# KiCad board GPDI_ULX3S_panel.kicad_pcb (continued)
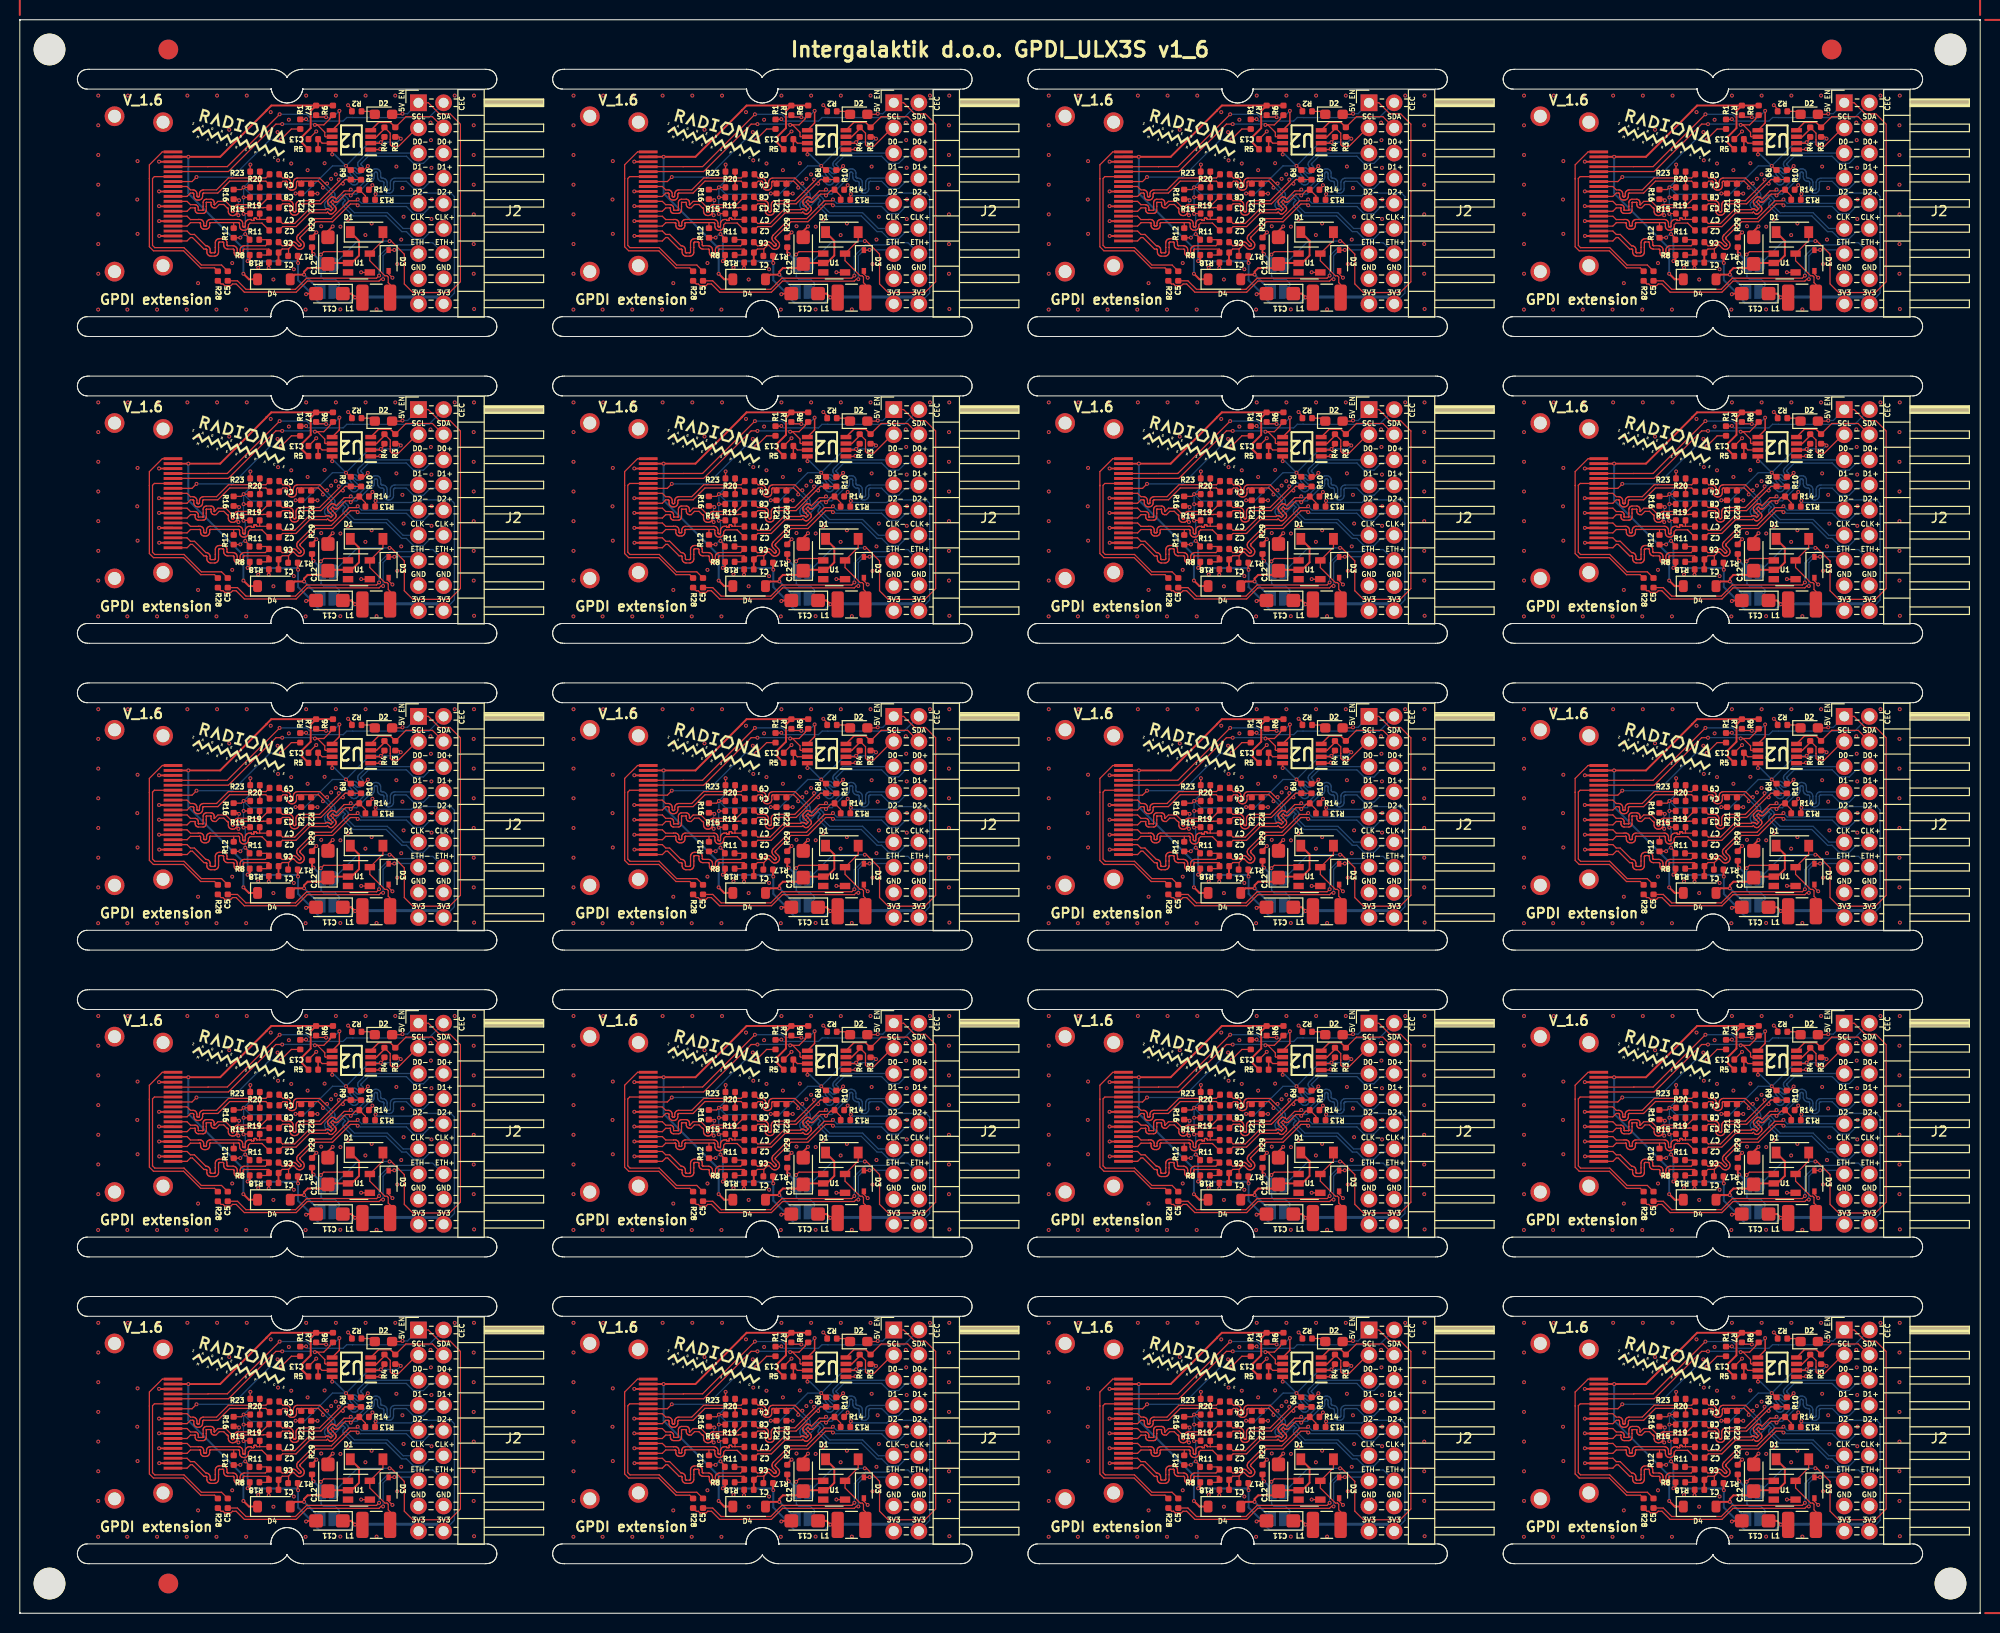
[diagram p0: board, top side]
## Routing (per net, layer and track width the routed paths; a pad name or vN(x,y) marks a point on that pad's centre or on a via; arc(x,y) is an arc through that point) (continued)
Board_0-+5V: length 39.3
  Top w0.2: v1(22.58,135.34) 23.14,134.78 D4#15.1 ; R6#14.1 R7#20.1 ; R7#20.1 25.4,152.34 24.92,151.85 24.92,151.83 20.24,147.15 v1(17.02,147.15) P1#5.18 ; R7#20.1 29.38,151.79 29.38,150.06 28.53,149.2 28.53,148.55 R5#2.1
  Bottom w0.2: v1(22.58,135.34) 22.58,137.9 17.02,143.46 v1(17.02,147.15)
Board_0-/CEC: length 15.1
  Top w0.127: R1#7.1 27.43,149.97 v1(26.37,148.91) ; v1(17.85,145.11) 17.39,144.65 P1#5.13
  Bottom w0.127: v1(26.37,148.91) 25.28,148.91 21.48,145.11 v1(17.85,145.11)
Board_0-/CLK+: length 12.1
  Top w0.127: P1#5.10 16.89,143.15 17.24,143.5 17.45,143.5 17.48,143.49 17.51,143.48 17.53,143.47 17.55,143.45 17.56,143.43 17.57,143.4 17.57,143.38 17.57,143.19 17.58,143.1 17.61,143.02 17.66,142.94 17.73,142.87 17.8,142.82 17.89,142.79 17.98,142.78 18.05,142.78 18.14,142.79 18.23,142.82 18.31,142.87 18.37,142.94 18.42,143.02 18.45,143.1 18.46,143.19 18.46,143.38 18.47,143.4 18.48,143.43 18.49,143.45 18.51,143.47 18.53,143.48 18.55,143.49 18.58,143.5 20,143.5 21.2,144.7 24.85,144.7 C4#14.2
  Top w0.15: R20#6.2 24.24,144.66
Board_0-/CLK-: length 12.2
  Top w0.127: P1#5.12 16.89,144.15 17.24,143.81 17.48,143.81 17.57,143.8 17.66,143.77 17.74,143.72 17.8,143.66 17.85,143.58 17.88,143.49 17.89,143.4 17.89,143.22 17.89,143.19 17.9,143.17 17.92,143.15 17.93,143.13 17.96,143.11 17.98,143.1 18.01,143.1 18.03,143.1 18.05,143.1 18.08,143.11 18.1,143.13 18.12,143.15 18.13,143.17 18.14,143.19 18.14,143.22 18.14,143.4 18.16,143.49 18.19,143.58 18.23,143.66 18.3,143.72 18.38,143.77 18.46,143.8 18.56,143.81 19.87,143.81 21.07,145.02 24.26,145.02 ; 24.26,145.02 24.24,145.03 R23#10.2 ; 24.26,145.02 24.85,145.02 C9#15.2
Board_0-/D0+: length 15.7
  Top w0.127: C3#7.2 24.59,142.03 24.57,142.01 22.66,142.01 22.63,142 22.6,141.99 22.58,141.98 22.56,141.96 22.54,141.93 22.53,141.91 22.53,141.88 22.53,141.87 22.53,141.84 22.52,141.82 22.5,141.79 22.48,141.77 22.46,141.76 22.43,141.75 22.4,141.75 22.37,141.75 22.35,141.76 22.32,141.77 22.3,141.79 22.29,141.82 22.28,141.84 22.28,141.87 22.28,141.88 22.27,141.91 22.26,141.93 22.25,141.96 22.23,141.98 22.2,141.99 22.18,142 22.15,142.01 22.08,142.01 22.05,142 22.02,141.99 22,141.98 21.98,141.96 21.96,141.93 21.95,141.91 21.95,141.88 21.95,141.64 21.94,141.55 21.91,141.46 21.86,141.38 ; P1#5.7 16.89,141.65 17.24,142 17.67,142 17.68,141.99 17.69,141.99 17.7,141.99 17.7,141.98 17.71,141.97 17.71,141.97 17.71,141.96 17.71,141.78 17.72,141.7 17.75,141.63 17.79,141.57 17.84,141.51 17.9,141.47 17.97,141.45 18.05,141.44 18.49,141.44 18.57,141.45 18.64,141.47 18.7,141.51 18.76,141.57 18.8,141.63 18.82,141.7 18.83,141.78 18.83,142.15 18.83,142.51 18.83,142.52 18.84,142.53 18.84,142.54 18.85,142.54 18.85,142.55 18.86,142.55 18.87,142.55 19.27,142.55 19.28,142.55 19.29,142.55 19.3,142.54 19.3,142.54 19.31,142.53 19.31,142.52 19.31,142.51 19.31,142.33 19.32,142.26 19.35,142.19 19.39,142.12 19.44,142.07 19.5,142.03 19.58,142 19.65,142 19.8,142 20.14,142.34 20.6,142.34 20.93,142.01 20.96,142 20.99,141.99 21.01,141.98 21.03,141.96 21.04,141.93 21.05,141.91 21.06,141.88 21.06,141.64 21.07,141.55 21.1,141.46 21.15,141.38 21.22,141.31 21.3,141.26 21.38,141.23 21.48,141.22 21.53,141.22 21.62,141.23 21.71,141.26 21.79,141.31 21.86,141.38 ; 21.86,141.38 21.95,141.38 v1(22.08,141.25) ; R16#11.2 22.03,142.88 v1(22.15,142.76)
  Bottom w0.127: v1(22.15,142.76) 22.08,142.7 v1(22.08,141.25)
Board_0-/D0-: length 14.1
  Top w0.127: 25.13,143.06 C8#20.2 24.39,142.33 22.05,142.33 21.96,142.31 21.87,142.28 21.79,142.23 21.72,142.17 21.67,142.09 21.64,142 21.63,141.91 21.63,141.67 21.63,141.64 21.62,141.61 21.6,141.59 21.58,141.57 21.56,141.55 21.53,141.54 21.5,141.54 21.48,141.54 21.45,141.55 21.42,141.57 21.4,141.59 21.39,141.61 21.38,141.64 21.38,141.67 21.38,141.91 21.37,142 21.33,142.09 21.28,142.17 20.8,142.65 20.01,142.65 19.67,142.31 19.66,142.32 19.65,142.32 19.65,142.32 19.64,142.33 19.64,142.34 19.63,142.34 19.63,142.35 19.63,142.53 19.62,142.61 19.6,142.68 19.56,142.74 19.51,142.8 19.44,142.84 19.37,142.86 19.29,142.87 18.85,142.87 18.78,142.86 18.7,142.84 18.64,142.8 18.59,142.74 18.55,142.68 18.52,142.61 18.51,142.53 18.51,142.15 18.51,142.15 18.51,141.8 18.51,141.79 18.51,141.78 18.5,141.77 18.5,141.77 18.49,141.76 18.48,141.76 18.47,141.76 18.07,141.76 18.06,141.76 18.05,141.76 18.05,141.77 18.04,141.77 18.03,141.78 18.03,141.79 18.03,141.8 18.03,141.98 18.02,142.05 18,142.12 17.96,142.19 17.9,142.24 17.84,142.28 17.77,142.31 17.69,142.31 17.24,142.31 16.89,142.65 P1#5.9
  Top w0.15: 24.2,142.33 24.22,142.34 R19#18.2
Board_0-/D1+: length 12.6
  Top w0.127: P1#5.4 16.89,140.15 17.24,140.5 18.15,140.5 18.16,140.51 18.18,140.5 18.2,140.5 18.22,140.49 18.24,140.47 18.25,140.45 18.25,140.43 18.26,140.41 18.26,140.23 18.27,140.14 18.29,140.06 18.34,139.99 18.4,139.93 18.48,139.88 18.56,139.85 18.64,139.84 18.79,139.84 18.87,139.85 18.95,139.88 19.03,139.93 19.09,139.99 19.14,140.06 19.16,140.14 19.17,140.23 19.17,140.41 19.18,140.43 19.18,140.45 19.19,140.47 19.21,140.49 19.23,140.5 19.25,140.5 19.27,140.51 22.07,140.51 22.1,140.5 22.13,140.49 22.15,140.48 22.17,140.46 22.18,140.43 22.19,140.41 22.2,140.38 22.2,140.15 22.21,140.05 22.24,139.97 22.29,139.89 22.36,139.82 22.44,139.77 22.52,139.74 22.62,139.73 22.67,139.73 22.76,139.74 22.85,139.77 22.93,139.82 23,139.89 23.05,139.97 23.08,140.05 23.09,140.15 23.09,140.29 23.26,140.46 24.45,140.46 C2#2.2 ; R12#16.2 21.6,140.49
Board_0-/D1-: length 12.8
  Top w0.127: C7#7.2 25.16,140.83 24.23,140.83 ; P1#5.6 16.89,141.15 17.24,140.81 18.02,140.81 18.03,140.83 18.19,140.83 18.27,140.82 18.35,140.79 18.43,140.74 18.49,140.68 18.54,140.61 18.56,140.52 18.57,140.44 18.57,140.25 18.58,140.23 18.58,140.21 18.59,140.2 18.61,140.18 18.63,140.17 18.65,140.16 18.67,140.16 18.76,140.16 18.78,140.16 18.8,140.17 18.82,140.18 18.84,140.2 18.85,140.21 18.85,140.23 18.86,140.25 18.86,140.44 18.87,140.52 18.89,140.61 18.94,140.68 19,140.74 19.08,140.79 19.16,140.82 19.24,140.83 22.1,140.83 22.19,140.81 22.28,140.78 22.36,140.73 22.42,140.67 22.47,140.59 22.51,140.5 22.52,140.41 22.52,140.17 22.52,140.15 22.53,140.12 22.54,140.09 22.56,140.07 22.59,140.06 22.62,140.05 22.64,140.05 22.67,140.05 22.7,140.06 22.72,140.07 22.74,140.09 22.76,140.12 22.77,140.15 22.77,140.17 22.77,140.41 22.78,140.5 22.81,140.59 22.86,140.67 22.93,140.73 23.01,140.78 23.1,140.81 23.19,140.83 23.34,140.83 23.35,140.82 23.36,140.82 23.37,140.81 23.38,140.81 23.38,140.8 23.39,140.79 23.39,140.76 23.39,140.75 23.4,140.74 23.41,140.74 23.42,140.73 23.43,140.73 23.44,140.73 23.59,140.73 23.6,140.73 23.62,140.73 23.62,140.74 23.63,140.74 23.64,140.75 23.64,140.76 23.64,140.78 23.64,140.9 23.65,140.91 23.65,140.93 23.66,140.94 23.67,140.96 23.68,140.96 23.7,140.97 23.72,140.97 23.82,140.97 23.84,140.97 23.86,140.96 23.87,140.96 23.88,140.94 23.89,140.93 23.9,140.91 23.9,140.88 23.9,140.87 23.91,140.85 23.92,140.84 23.94,140.83 23.95,140.83 23.97,140.83 24.23,140.83 ; 24.23,140.83 R15#9.2
Board_0-/D2+: length 15
  Top w0.127: P1#5.1 16.89,138.65 17.24,139 17.43,139 18.6,137.83 18.78,137.83 18.81,137.83 18.83,137.82 18.85,137.81 18.87,137.79 18.88,137.77 18.89,137.75 18.89,137.73 18.89,137.53 18.9,137.44 18.93,137.35 18.98,137.27 19.05,137.21 19.13,137.16 19.21,137.13 19.31,137.12 19.66,137.12 19.75,137.13 19.84,137.16 19.92,137.21 19.98,137.27 20.03,137.35 20.06,137.44 20.07,137.53 20.07,138 20.07,138 20.07,138.44 20.08,138.47 20.09,138.49 20.1,138.51 20.12,138.53 20.14,138.54 20.16,138.55 20.18,138.55 20.48,138.55 20.51,138.55 20.53,138.54 20.55,138.53 20.57,138.51 20.58,138.49 20.59,138.47 20.59,138.44 20.59,138.25 20.6,138.16 20.63,138.07 20.68,137.99 20.75,137.92 20.83,137.88 20.91,137.84 21.01,137.83 21.56,137.83 21.59,137.82 21.61,137.79 21.63,137.77 21.64,137.74 21.64,137.71 21.64,137.5 21.66,137.4 21.69,137.31 21.74,137.23 21.81,137.16 21.89,137.1 21.98,137.07 22.08,137.06 22.13,137.06 22.23,137.07 22.32,137.1 22.4,137.16 22.47,137.23 22.52,137.31 22.56,137.4 22.57,137.5 22.57,137.71 22.57,137.74 22.58,137.77 22.6,137.79 22.62,137.82 22.65,137.83 25.14,137.83 25.17,137.8 C1#17.2 24.92,137.23 R8.2
Board_0-/D2-: length 14.8
  Top w0.127: R11#2.2 24.91,138.78 C6#3.2 24.8,138.17 22.68,138.17 22.59,138.16 22.49,138.12 22.41,138.07 22.34,138 22.29,137.92 22.26,137.83 22.25,137.73 22.25,137.52 22.24,137.49 22.23,137.46 22.22,137.43 22.19,137.41 22.17,137.39 22.14,137.38 22.11,137.38 22.07,137.38 22.04,137.39 22.02,137.41 21.99,137.43 21.98,137.46 21.97,137.49 21.96,137.52 21.96,137.73 21.95,137.83 21.92,137.92 21.87,138 21.8,138.07 21.72,138.12 21.63,138.16 21.53,138.17 21.03,138.17 21.01,138.17 20.99,138.18 20.97,138.19 20.95,138.21 20.94,138.23 20.93,138.25 20.92,138.27 20.92,138.47 20.91,138.56 20.88,138.65 20.83,138.73 20.77,138.79 20.69,138.84 20.6,138.87 20.51,138.88 20.16,138.88 20.06,138.87 19.98,138.84 19.9,138.79 19.83,138.73 19.78,138.65 19.75,138.56 19.74,138.47 19.74,138 19.74,137.56 19.74,137.54 19.73,137.51 19.72,137.49 19.7,137.48 19.68,137.46 19.66,137.45 19.63,137.45 19.33,137.45 19.31,137.45 19.29,137.46 19.26,137.48 19.25,137.49 19.23,137.51 19.23,137.54 19.22,137.56 19.22,137.75 19.21,137.84 19.18,137.93 19.13,138.01 19.07,138.08 18.99,138.13 18.9,138.16 18.81,138.17 18.78,138.17 17.64,139.31 17.24,139.31 16.89,139.65 P1#5.3
Board_0-/ETH+: length 17.6
  Top w0.127: P1#5.14 13.59,145.15 13.4,144.97 13.4,138.2 13.63,137.98 16.58,137.98 18.34,136.22 20.38,136.22 C5#17.2
Board_0-/ETH-: length 19.2
  Top w0.127: P1#5.19 14.39,147.65 13.09,146.35 13.09,144.93 ; 13.09,144.93 13.09,138.07 13.5,137.66 16.54,137.66 18.27,135.93 19.67,135.93 R28#16.1 ; 13.09,144.93 13.09,144.97
Board_0-GND: length 17.5
  Top w0.127: R2#2.2 33.54,151.98 v1(33.15,152.37) ; U1#8.4 34.49,135.47 v1(34.47,135.49) ; v1(37.63,134.94) 37.25,135.32 D3#18.2 ; v1(35.15,146.22) 34.75,145.82 R10#10.2 ; v1(29.94,149.72) 29.94,149.72 C13#8.2 ; v1(30.07,143.44) 30.07,143.44 R22#11.2 ; R14#15.2 35.61,144.19 v1(35.61,144.29)
  Top w0.15: U2#2.1 36.35,147.88 v1(36.4,147.94)
  Top w0.2: v1(14.07,140.66) 14.08,140.65 P1#5.5 ; P1#5.17 14.07,146.65 v1(14.06,146.67) ; C11#11.2 28.97,133.33 v1(28.91,133.27) ; R18#19.2 25.16,135.94 v1(25.14,135.93) ; P1#5.11 14.07,143.65 v1(14.06,143.66) ; P1#5.2 14.08,139.15 v1(14.08,139.16) ; v1(29.95,139.52) 29.51,139.08 R29#13.2 ; C12#15.2 31.12,139.64 v1(31.6,140.12) ; P1#5.8 14.08,142.15 v1(14.06,142.18)
  In1.Cu w0.5: 40.38,134.72 J2#9.15
  vias: v1(7.92,153.34) v1(7.92,150.34) v1(7.92,147.34) v1(7.92,144.34) v1(7.92,141.34) v1(7.92,138.34) v1(7.92,135.34) v1(7.91,131.72) v1(10.92,153.34) v1(10.86,131.72) v1(11.89,146.72) v1(11.86,142.84) v1(11.89,139.37) v1(13.92,153.34) v1(13.86,131.72) v1(16.92,153.34) v1(16.86,131.72) v1(18.02,149.97) v1(18,134.39) v1(19.92,153.34) v1(19.86,131.72) v1(21.15,149.89) v1(21.45,136.42) v1(22.92,153.34) v1(22.86,131.72) v1(24.08,135.94) v1(25.34,151.67) v1(25.61,134.76) v1(26.03,149.65) v1(26.08,146.8) v1(27.17,150.9) v1(27.41,146.48) v1(27.68,135.79) v1(28.92,153.34) v1(28.86,131.72) v1(29.07,145.81) v1(30.44,140.14) v1(30.78,146.51) v1(31.44,144.93) v1(31.92,153.34) v1(31.91,145.38) v1(32.38,140.1) v1(32.37,131.74) v1(33.14,140.81) v1(34.92,153.34) v1(34.9,139.25) v1(35.53,140.42) v1(36.03,131.74) v1(37.92,153.34) v1(38.03,146.17) v1(38.12,136.32) v1(38.52,138.79) v1(38.64,144) v1(38.76,141.1) v1(41.48,150.61) v1(41.52,148.84) v1(41.57,146.05) v1(41.6,142.85) v1(41.58,140.87) v1(43.92,153.34) v1(45.84,150.34) v1(45.84,147.34) v1(45.84,144.34) v1(45.84,141.34) v1(45.84,138.34) v1(45.84,135.34) v1(45.87,153.34) v1(45.88,131.78)
Board_0-GPDI_CEC: length 15.3
  Top w0.127: R1#7.2 28.89,150.94 v1(28.91,150.96)
  Bottom w0.127: J2#9.2 41.31,151.12 33.61,151.12 33.6,151.13 33.02,151.13 32.66,150.77 29.1,150.77 v1(28.91,150.96)
Board_0-GPDI_CLK+: length 24.8
  Top w0.127: 28.45,144.69 28.42,144.67 R21#8.2 ; 28.45,144.69 28.09,144.69 28.06,144.69 28.03,144.68 28,144.66 27.98,144.64 27.96,144.61 27.95,144.58 27.95,144.55 27.95,144.22 27.94,144.12 27.9,144.03 27.85,143.95 27.78,143.88 27.7,143.83 27.61,143.8 27.51,143.79 27.46,143.79 27.36,143.8 27.27,143.83 27.19,143.88 27.12,143.95 27.07,144.03 27.04,144.12 27.03,144.22 27.03,144.55 27.02,144.58 27.01,144.61 27,144.64 26.97,144.66 26.95,144.68 26.92,144.69 26.89,144.69 26.57,144.69 C4#14.1 ; 28.45,144.69 29.43,144.69 ; R22#11.1 29.43,144.69 ; 29.43,144.69 30.16,144.69 30.62,144.23 v1(30.62,144.04)
  Bottom w0.127: v1(30.62,144.04) 30.81,144.04 31.46,143.39 31.48,143.36 31.5,143.33 31.5,143.29 31.5,143.26 31.5,143.22 31.48,143.19 31.46,143.16 30.91,142.61 30.85,142.53 30.8,142.44 30.78,142.34 30.78,142.24 30.8,142.14 30.85,142.05 30.91,141.97 30.95,141.93 31.03,141.86 31.12,141.82 31.22,141.8 31.32,141.8 31.42,141.82 31.51,141.86 31.59,141.93 32.62,142.95 32.63,142.96 32.63,142.96 32.64,142.96 32.65,142.96 32.65,142.96 32.66,142.96 32.67,142.95 32.85,142.77 32.86,142.76 32.86,142.75 32.86,142.75 32.86,142.74 32.86,142.73 32.86,142.72 32.85,142.72 32.73,142.59 32.68,142.53 32.65,142.47 32.63,142.39 32.63,142.32 32.65,142.25 32.68,142.18 32.73,142.12 33.66,141.19 36.99,141.19 38.58,139.6 39.04,139.6 39.76,138.87 40.76,138.87 41.48,139.6 42.48,139.6 J2#9.12
Board_0-GPDI_CLK-: length 21
  Top w0.127: v1(31.03,144.46) 30.84,144.46 30.29,145.01 28.06,145.01 27.96,145 27.87,144.97 27.79,144.92 27.72,144.85 27.67,144.77 27.64,144.68 27.63,144.58 27.63,144.25 27.62,144.21 27.61,144.18 27.6,144.16 27.57,144.14 27.55,144.12 27.52,144.11 27.49,144.1 27.46,144.11 27.43,144.12 27.4,144.14 27.38,144.16 27.36,144.18 27.35,144.21 27.35,144.25 27.35,144.58 27.34,144.68 27.3,144.77 27.25,144.85 27.18,144.92 27.1,144.97 27.01,145 26.91,145.01 26.57,145.01 C9#15.1
  Bottom w0.127: v1(31.03,144.46) 31.03,144.27 31.7,143.6 31.77,143.52 31.81,143.43 31.83,143.33 31.83,143.23 31.81,143.13 31.77,143.03 31.7,142.95 31.15,142.41 31.13,142.38 31.12,142.34 31.11,142.31 31.11,142.27 31.12,142.24 31.13,142.2 31.15,142.17 31.18,142.15 31.22,142.13 31.25,142.13 31.29,142.13 31.33,142.13 31.36,142.15 31.39,142.17 32.41,143.19 32.47,143.24 32.53,143.27 32.61,143.29 32.68,143.29 32.75,143.27 32.82,143.24 32.88,143.19 33.09,142.98 33.14,142.92 33.17,142.85 33.19,142.78 33.19,142.71 33.17,142.63 33.14,142.57 33.09,142.51 32.97,142.38 32.96,142.37 32.96,142.37 32.96,142.36 32.96,142.35 32.96,142.35 32.96,142.34 32.97,142.33 33.79,141.51 37.12,141.51 38.71,139.91 J2#9.11
Board_0-GPDI_D0+: length 26.3
  Top w0.127: R10#10.1 34.46,144.85 R9#16.2 32.86,144.85 32.63,144.63 v1(32.63,144.44) 32.44,144.44 30.4,142.4 28.35,142.4 28.32,142.4 28.29,142.39 28.26,142.37 28.24,142.35 28.23,142.32 28.22,142.29 28.21,142.26 28.21,141.69 28.2,141.59 28.17,141.5 28.12,141.42 28.05,141.35 27.97,141.3 27.88,141.27 27.78,141.26 27.73,141.26 27.63,141.27 27.54,141.3 27.46,141.35 27.39,141.42 27.34,141.5 27.3,141.59 27.29,141.69 27.29,142.26 27.29,142.29 27.28,142.32 27.26,142.35 27.24,142.37 27.21,142.39 27.18,142.4 27.15,142.4 26.53,142.4 C3#7.1
  Bottom w0.127: J2#9.6 42.48,147.22 41.48,147.22 40.76,146.49 39.76,146.49 39.04,147.22 35.22,147.22 34.48,146.47 34.46,146.46 34.45,146.44 34.45,146.42 34.45,146.4 34.45,146.38 34.46,146.36 34.48,146.35 34.6,146.22 34.66,146.15 34.7,146.07 34.72,145.99 34.72,145.9 34.7,145.82 34.66,145.74 34.6,145.67 34.5,145.57 34.43,145.51 34.35,145.48 34.27,145.46 34.18,145.46 34.1,145.48 34.02,145.51 33.95,145.57 33.83,145.7 33.81,145.71 33.79,145.72 33.77,145.72 33.75,145.72 33.73,145.72 33.71,145.71 33.7,145.7 33.68,145.67 33.66,145.64 33.66,145.61 33.66,145.58 33.66,145.55 33.68,145.52 33.7,145.5 34.11,145.08 34.17,145.01 34.21,144.92 34.24,144.83 34.24,144.73 34.21,144.63 34.17,144.55 34.11,144.47 34.07,144.43 34,144.37 33.91,144.33 33.82,144.31 33.72,144.31 33.62,144.33 33.54,144.37 33.46,144.43 33.05,144.85 33.02,144.87 32.99,144.88 32.96,144.89 32.93,144.89 32.9,144.88 32.87,144.87 32.85,144.85 32.63,144.63 v1(32.63,144.44)
Board_0-GPDI_D0-: length 20.9
  Top w0.127: v1(32.22,144.86) 32.22,144.67 30.27,142.72 28.33,142.72 28.23,142.71 28.14,142.68 28.06,142.63 27.99,142.56 27.94,142.48 27.9,142.39 27.89,142.29 27.89,141.72 27.89,141.69 27.88,141.66 27.86,141.63 27.84,141.61 27.81,141.59 27.78,141.58 27.75,141.58 27.72,141.58 27.69,141.59 27.66,141.61 27.64,141.63 27.63,141.66 27.62,141.69 27.61,141.72 27.61,142.29 27.6,142.39 27.57,142.48 27.52,142.56 27.45,142.63 27.37,142.68 27.28,142.71 27.18,142.72 26.53,142.72 C8#20.1
  Bottom w0.127: J2#9.5 35.08,147.53 34.23,146.68 34.18,146.62 34.14,146.54 34.12,146.45 34.12,146.37 34.14,146.28 34.18,146.21 34.23,146.14 34.36,146.01 34.37,145.99 34.38,145.97 34.39,145.95 34.39,145.93 34.38,145.91 34.37,145.9 34.36,145.88 34.29,145.81 34.28,145.8 34.26,145.79 34.24,145.78 34.22,145.78 34.2,145.79 34.18,145.8 34.16,145.81 34.03,145.94 33.97,145.99 33.89,146.03 33.8,146.05 33.72,146.05 33.63,146.03 33.56,145.99 33.49,145.94 33.45,145.9 33.39,145.83 33.35,145.74 33.33,145.65 33.33,145.55 33.35,145.45 33.39,145.37 33.45,145.29 33.87,144.88 33.89,144.85 33.9,144.82 33.91,144.79 33.91,144.76 33.9,144.73 33.89,144.7 33.87,144.68 33.84,144.66 33.81,144.64 33.78,144.64 33.75,144.64 33.72,144.64 33.69,144.66 33.67,144.68 33.25,145.09 33.18,145.15 33.09,145.19 33,145.22 32.9,145.22 32.81,145.19 32.72,145.15 32.64,145.09 32.41,144.86 v1(32.22,144.86)
Board_0-GPDI_D1+: length 26.6
  Top w0.127: C2#2.1 26.54,140.1 27.9,140.1 29.29,141.49 30.99,141.49 31.08,141.58 31.21,141.46 31.26,141.42 31.32,141.39 31.39,141.37 31.46,141.37 31.52,141.39 31.58,141.42 31.63,141.46 31.86,141.68 31.9,141.74 31.93,141.8 31.95,141.86 31.95,141.93 31.93,141.99 31.9,142.06 31.86,142.11 31.62,142.35 31.63,142.36 31.41,142.58 31.61,142.78 31.73,142.66 31.79,142.61 31.85,142.59 31.91,142.57 31.98,142.57 32.04,142.59 32.1,142.61 32.16,142.66 32.89,143.39 33.29,143.39 v1(33.42,143.25) 33.91,143.74 34.19,143.74 R14#15.1 34.91,143.21 R13#2.2
  Bottom w0.127: v1(33.42,143.25) 33.56,143.39 34.03,143.39 35.31,144.68 35.34,144.68 35.44,144.69 35.54,144.72 35.62,144.78 35.7,144.85 35.75,144.93 35.78,145.03 35.8,145.13 35.8,145.45 35.8,145.49 35.81,145.53 35.83,145.56 35.86,145.58 35.89,145.6 35.92,145.62 35.96,145.62 36,145.62 36.03,145.6 36.06,145.58 36.09,145.56 36.11,145.53 36.12,145.49 36.13,145.45 36.13,145.13 36.14,145.03 36.17,144.93 36.23,144.85 36.3,144.78 36.39,144.72 36.48,144.69 36.58,144.68 36.61,144.68 36.65,144.67 36.68,144.66 36.71,144.64 36.74,144.61 36.76,144.58 36.77,144.55 36.78,144.51 36.78,143.94 36.79,143.84 36.82,143.74 36.88,143.65 36.95,143.58 37.04,143.53 37.13,143.49 37.23,143.48 37.29,143.48 37.39,143.49 37.49,143.53 37.57,143.58 37.65,143.65 37.7,143.74 37.73,143.84 37.75,143.94 37.75,144.51 37.75,144.55 37.76,144.58 37.78,144.61 37.81,144.64 37.84,144.66 37.87,144.67 37.91,144.68 39.04,144.68 39.76,143.95 40.76,143.95 41.48,144.68 42.48,144.68 J2#9.8
Board_0-GPDI_D1-: length 21
  Top w0.127: v1(33.42,143.85) 33.29,143.71 32.76,143.71 31.94,142.89 31.82,143.02 31.77,143.06 31.71,143.09 31.64,143.11 31.57,143.11 31.51,143.09 31.45,143.06 31.39,143.02 31.17,142.79 31.13,142.74 31.1,142.68 31.08,142.62 31.08,142.55 31.1,142.48 31.13,142.42 31.17,142.37 31.41,142.13 31.4,142.12 31.62,141.9 31.42,141.7 31.3,141.82 31.24,141.86 31.18,141.89 31.12,141.91 31.05,141.91 30.98,141.89 30.92,141.86 30.87,141.82 30.86,141.81 29.16,141.81 27.77,140.42 26.54,140.42 C7#7.1
  Bottom w0.127: J2#9.7 37.88,145 37.78,144.98 37.69,144.95 37.6,144.9 37.53,144.82 37.47,144.74 37.44,144.64 37.43,144.54 37.43,143.97 37.42,143.93 37.41,143.89 37.39,143.86 37.36,143.84 37.33,143.82 37.3,143.8 37.26,143.8 37.22,143.8 37.19,143.82 37.16,143.84 37.13,143.86 37.11,143.89 37.1,143.93 37.1,143.97 37.1,144.54 37.08,144.64 37.05,144.74 37,144.82 36.92,144.9 36.84,144.95 36.74,144.98 36.64,145 36.61,145 36.57,145 36.54,145.01 36.51,145.03 36.48,145.06 36.46,145.09 36.45,145.12 36.45,145.16 36.45,145.48 36.43,145.58 36.4,145.68 36.35,145.77 36.27,145.84 36.19,145.89 36.09,145.93 35.99,145.94 35.93,145.94 35.83,145.93 35.74,145.89 35.65,145.84 35.58,145.77 35.52,145.68 35.49,145.58 35.48,145.48 35.48,145.16 35.47,145.12 35.46,145.09 35.44,145.06 35.41,145.03 35.38,145.01 35.35,145 35.31,145 35.18,145 33.89,143.71 33.56,143.71 v1(33.42,143.85)
Board_0-GPDI_D2+: length 22.7
  Top w0.127: R17#8.2 27.14,137.19 27.14,137.84 ; 27.14,137.84 27.49,138.19 27.51,138.21 27.54,138.22 27.57,138.23 27.6,138.23 27.63,138.22 27.66,138.21 27.69,138.19 27.96,137.92 28.03,137.86 28.12,137.82 28.21,137.79 28.31,137.79 28.4,137.82 28.49,137.86 28.57,137.92 28.61,137.96 28.67,138.03 28.71,138.12 28.73,138.21 28.73,138.31 28.71,138.41 28.67,138.49 28.61,138.57 28.34,138.84 28.32,138.86 28.3,138.89 28.3,138.92 28.3,138.95 28.3,138.98 28.32,139.01 28.34,139.04 29.89,140.59 31.59,140.59 33.39,142.39 33.99,142.39 v1(34.12,142.25) ; 27.14,137.84 26.5,137.84 C1#17.1
  Top w0.2: R18#19.1 26.13,137.47 C1#17.1
  Bottom w0.127: J2#9.10 42.48,142.14 41.48,142.14 40.76,141.41 39.76,141.41 39.04,142.14 34.38,142.14 34.27,142.25 v1(34.12,142.25)
Board_0-GPDI_D2-: length 17.8
  Top w0.127: v1(34.12,142.85) 33.99,142.71 33.26,142.71 31.46,140.91 29.76,140.91 28.09,139.24 28.03,139.17 27.99,139.08 27.97,138.98 27.97,138.89 27.99,138.79 28.03,138.71 28.09,138.63 28.36,138.36 28.38,138.34 28.39,138.31 28.4,138.28 28.4,138.25 28.39,138.22 28.38,138.19 28.36,138.16 28.34,138.14 28.31,138.13 28.28,138.12 28.25,138.12 28.21,138.13 28.19,138.14 28.16,138.16 27.89,138.43 27.82,138.49 27.73,138.53 27.64,138.56 27.54,138.56 27.44,138.53 27.36,138.49 27.28,138.43 27.01,138.16 26.5,138.16 C6#3.1
  Bottom w0.127: J2#9.9 34.52,142.45 v1(34.12,142.85)
Board_0-GPDI_ETH+: length 25.7
  Top w0.127: v1(36.29,135.15) 36.03,134.89 28.97,134.89 27.84,133.77 22.84,133.77 21.98,134.62 C5#17.1
  Bottom w0.127: J2#9.14 41.71,138.47 39.87,138.47 39.65,138.25 37.41,138.25 36.29,137.13 v1(36.29,135.15)
Board_0-GPDI_ETH-: length 24.8
  Top w0.127: v1(37.82,137.75) 37.8,137.72 D3#18.1 ; R28#16.2 20.32,134.31 20.52,134.31 20.69,134.14 21.31,134.14 21.48,134.31 21.85,134.31 22.68,133.48 27.91,133.48 29.03,134.6 36.29,134.6 36.48,134.79 v1(36.69,134.79)
  Bottom w0.127: J2#9.13 39.89,137.75 v1(37.83,137.75) 37.27,137.75 36.69,137.16 36.69,134.79 v1(36.69,134.79)
Board_0-GPDI_SCL: length 21.1
  Top w0.127: v1(26.5,150.46) 25.86,150.46 21.07,145.67 15.48,145.67 P1#5.15 ; U2#2.6 30.87,149.18 30.8,149.25 30.8,149.63 30.05,150.38 v1(29.8,150.38) 30.7,150.38 31.32,151 31.32,151.06 R6#14.2
  Bottom w0.127: v1(29.8,150.38) 29.71,150.47 26.51,150.47 v1(26.5,150.46)
Board_0-GPDI_SDA: length 22.8
  Top w0.127: R7#20.2 30.11,151.18 30.91,151.18 v1(30.93,151.16) ; P1#5.16 19.01,146.15 19.02,146.17 20.96,146.17 v1(26.24,151.45)
  Top w0.15: v1(32.28,151.8) 32.28,150.57 U2#2.5
  Bottom w0.127: v1(32.28,151.8) 31.58,151.1 30.99,151.1 v1(30.93,151.16) 30.92,151.17 29.25,151.17 28.97,151.45 v1(26.24,151.45)
Board_0-Net-(D1-A): length 8.1
  Top w0.127: L1#18.2 37.4,134.25 37.21,134.44 37.21,135.01 37.08,135.13 36.87,135.13 35.35,136.66 U1#8.5 36.67,138.7 D1#3.2
Board_0-Net-(D1-K): length 13.2
  Top w0.2: D4#15.2 27.78,135.25 v1(28.71,135.25) 28.71,135.55 29.07,135.91 30.7,135.91 C12#15.1 31.22,136.43 U1#8.2 33.51,136.43 34.26,137.18 34.26,138.66 D1#3.1
  Bottom w0.2: JP2#20.1 30.37,133.59 v1(28.71,135.25)
Board_0-Net-(D2-K): length 1.5
  Top w0.127: R2#2.1 35.55,151.75 D2#19.1
Board_0-Net-(U2-VREF2): length 2.6
  Top w0.127: C13#8.1 30.53,148.53 U2#2.7
  Top w0.15: R5#2.2 C13#8.1
Board_0-PMOD_SCL: length 8.1
  Top w0.127: 39.88,149.69 J2#9.3 40.11,150.07 38.25,148.21 37.59,148.21 37.41,148.38 37.41,148.88 37.41,148.88 37.41,149.55 R4#2.2
  Top w0.15: U2#2.3 36.03,149.18 36.82,149.98 R4#2.2
Board_0-PMOD_SDA: length 8.8
  Top w0.127: R3#20.2 39,151.21 41.67,151.21 J2#9.4
  Top w0.15: U2#2.4 36.24,150.63 37.43,150.63 R3#20.2
Board_1-5V_ENABLE: length 54.8
  Top w0.127: v1(78.41,137.28) 78.7,137.57 80.96,137.57 U1#4.1 ; v1(86.65,151.51) 86.59,151.45 D2#16.2 ; v1(85.34,138.64) 85.51,138.64 86.83,137.32 86.83,134.31 87.7,133.44 91.41,133.44 92.5,134.53 92.5,150.45 91.46,151.49 90.39,151.49 89.26,152.62 J2#16.1 87.8,152.15
  Top w0.2: R29#5.1 77.51,137.48 v1(77.66,137.33)
  Bottom w0.127: J2#16.1 87.16,151.51 v1(86.65,151.51) ; v1(78.41,137.28) 78.41,137.01 78.42,137 JP1#3.2 78.43,136.25 78.43,135.03 78.44,135.03 78.68,134.79 79.86,134.79 80.26,134.39 80.26,134.13 JP2#6.2 ; JP1#3.1 82.12,138.64 v1(85.34,138.64)
  Bottom w0.2: v1(77.66,137.33) 78.42,136.57 JP1#3.2
  Bottom w0.5: JP1#3.2 JP1#3.1
Board_1-+3V3: length 87.4
  Top w0.127: v1(71.29,146.37) 71.27,146.35 R23#9.1 ; L1#15.1 81.88,132.93 v1(81.86,132.95) ; v1(70.77,139.35) 71.21,138.91 R11#9.1 ; R9#20.1 81.36,145.82 v1(80.94,146.24) ; R12#18.1 70.26,138.97 v1(70.27,138.99) ; R20#8.1 v1(70.6,144.07) 70.38,143.85 R16#3.1 ; v1(75.85,143.45) R21#7.1 ; v1(70.59,141.39) 70.62,141.42 R15.1 ; R3#13.1 86.3,149.16 v1(86.47,148.99) ; R13#9.1 83.88,143.33 v1(83.93,143.38) ; R4#20.1 84.82,148.99 v1(84.47,148.63) ; R19#10.1 v1(70.6,143.06)
  Top w0.15: v1(79.55,147.4) 79.54,147.41 U2#18.8 ; v1(84.47,148.63) 84.37,148.53 U2#18.2
  Top w0.2: R17#12.1 76.07,136.46 v1(76.1,136.43) ; C11#14.1 81.48,133.33 v1(81.86,132.95) ; R8#2.1 71.23,136.84 v1(71.01,136.62)